# Altium PCB ControlBoard.PcbDoc (part 1 of 3)
Units mm, origin at the board's own origin, x right, y up, seen from the top; angles counter-clockwise.
Board outline 70 x 83 mm, 6 copper layers (Top, GNDT, VDD, Inn, GNDB, Bot), stack 1.629 mm thick; 293 components, 226 nets, 1120 pads, 500 vias.
Unrouted connection lines stored in the file: 43.
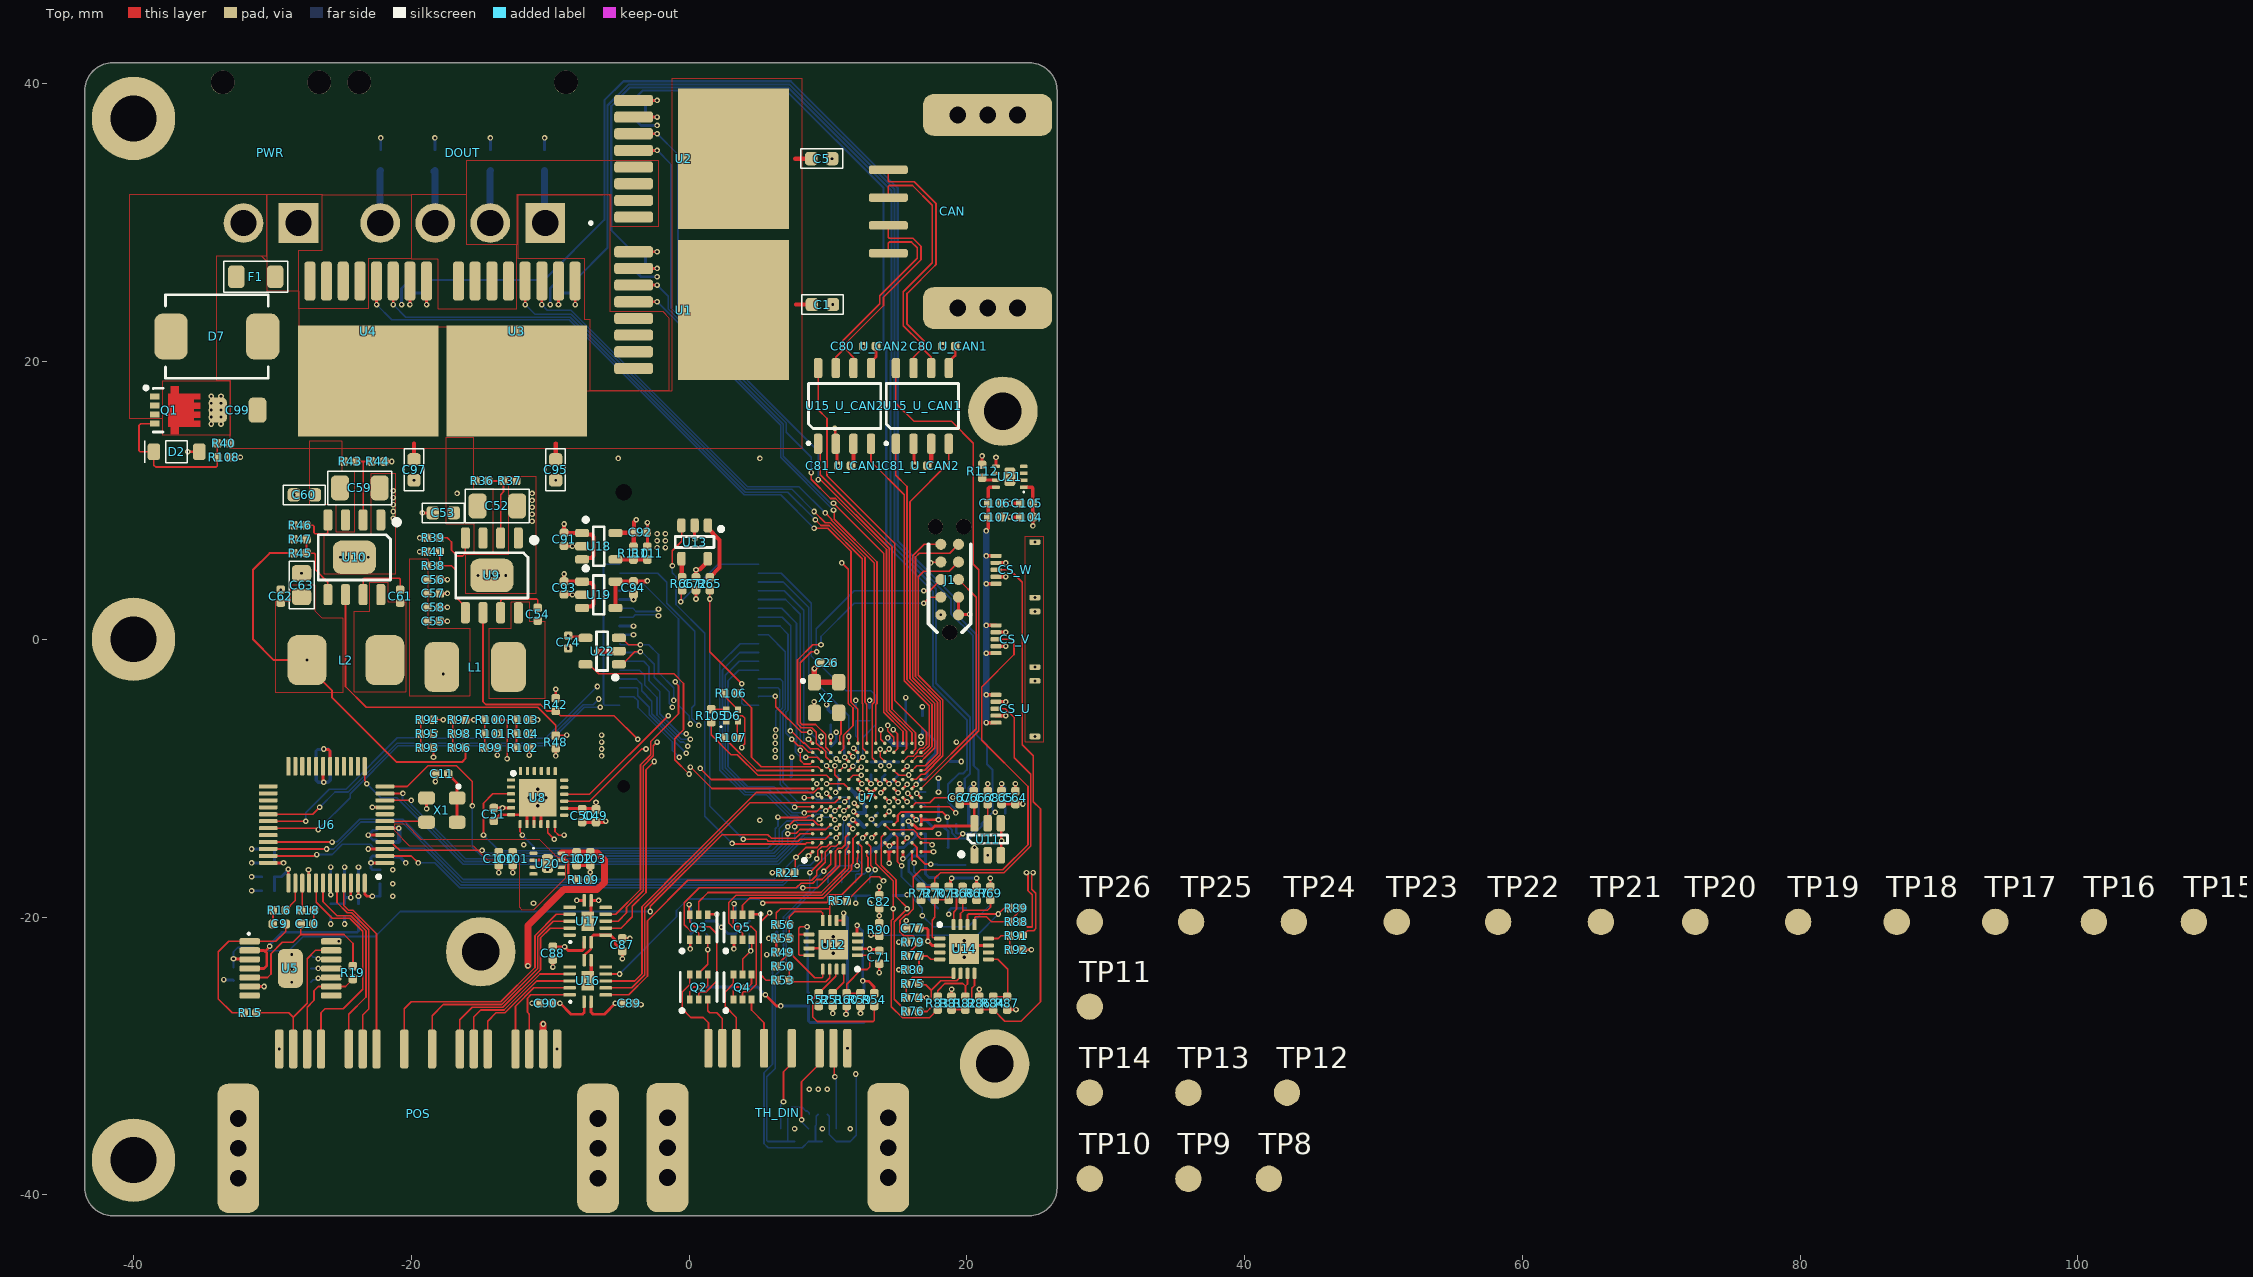
[diagram p0: Top view]
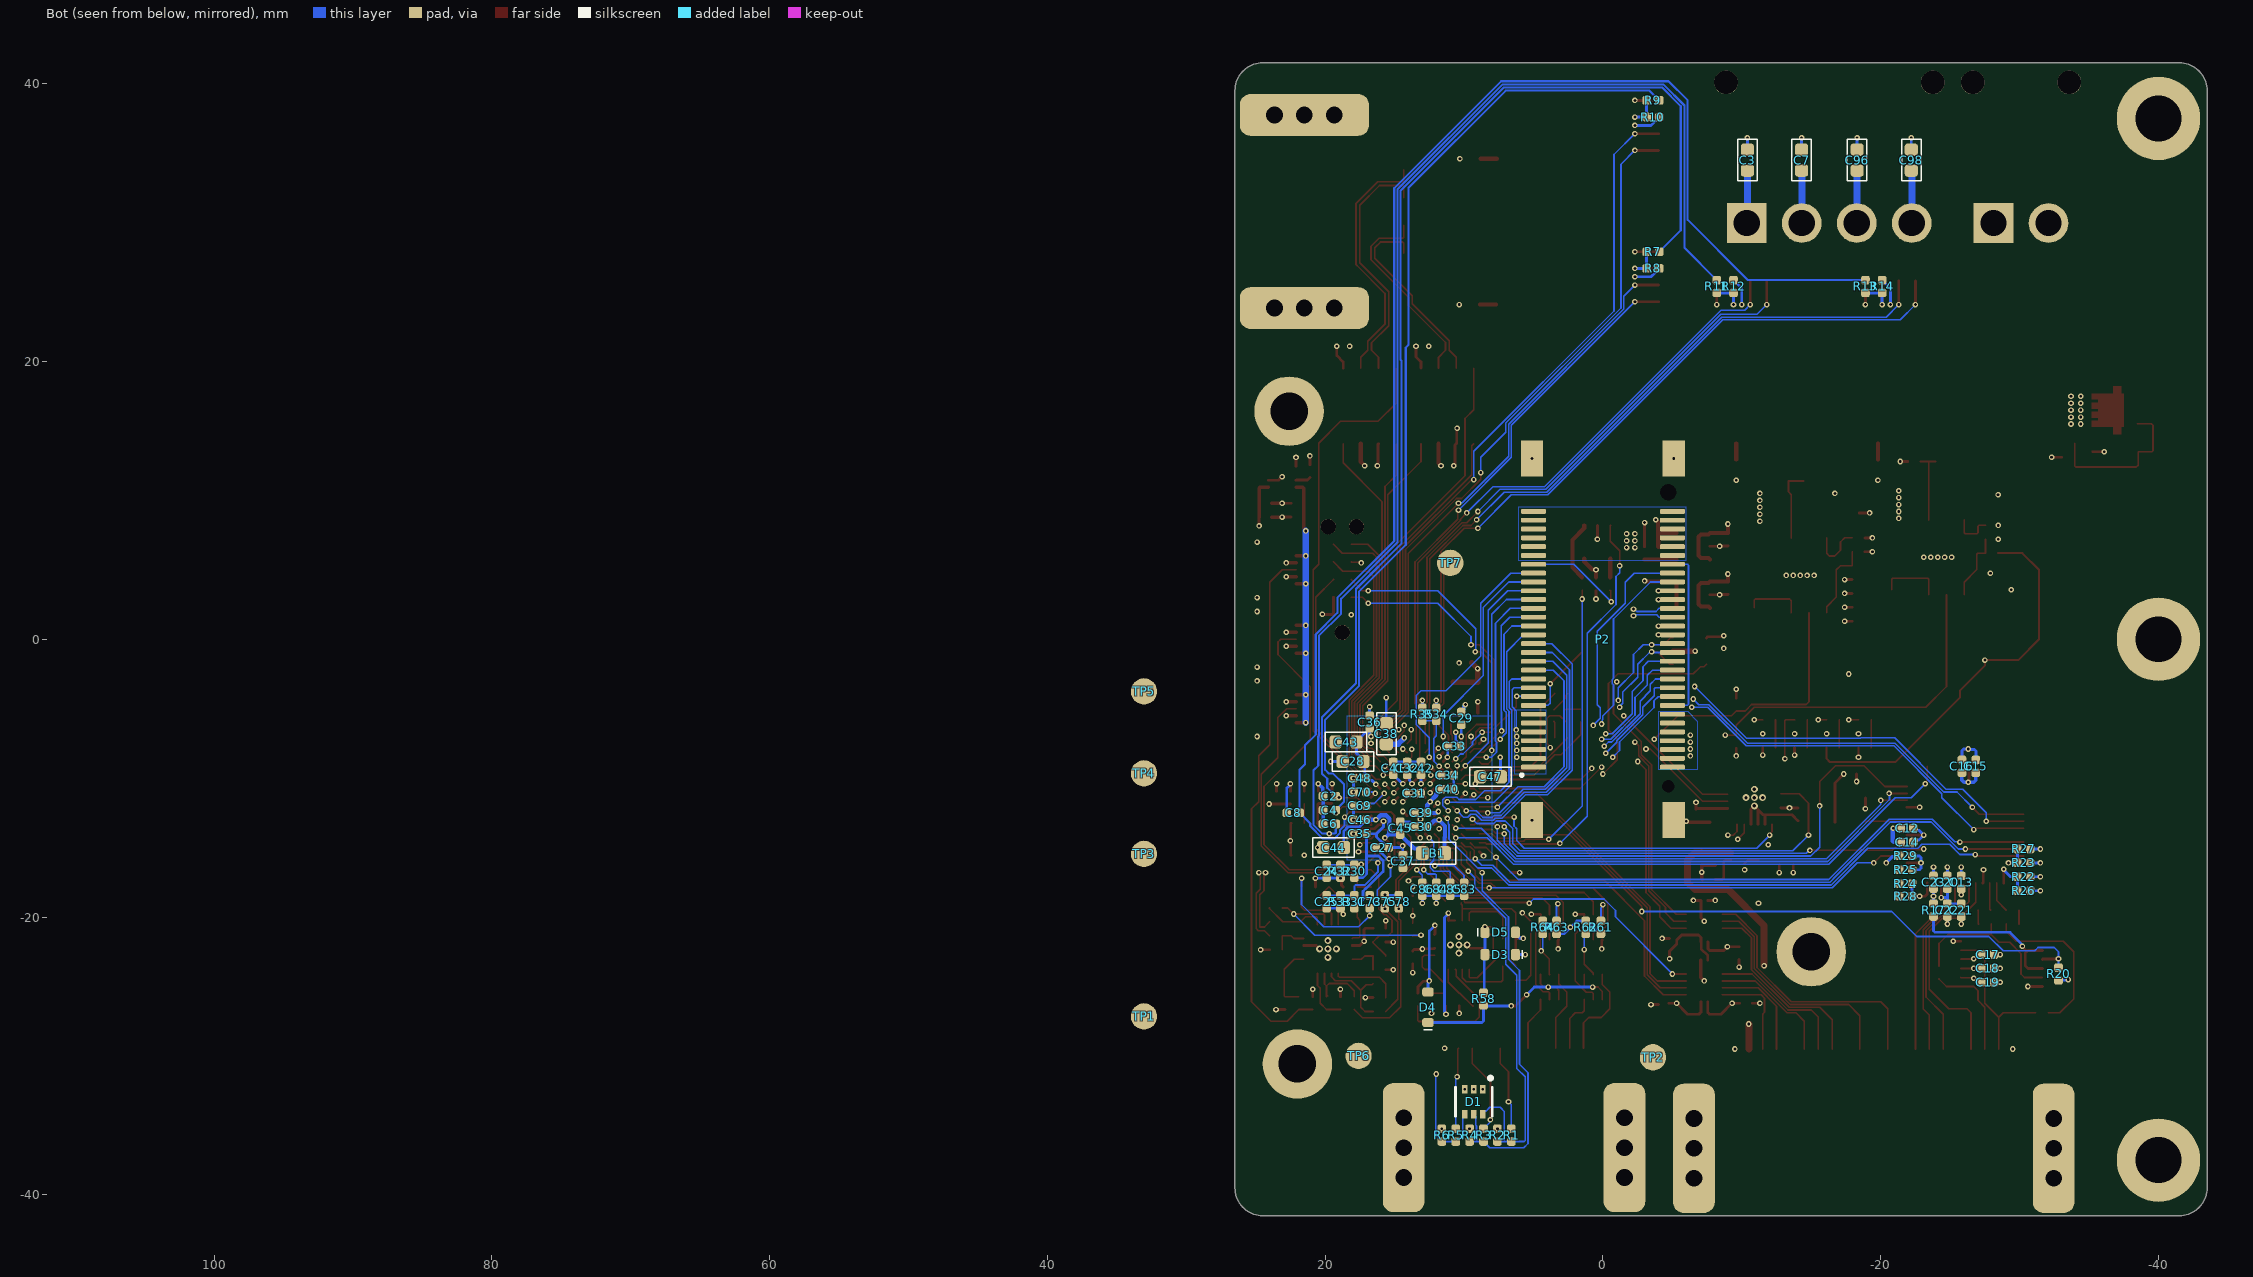
[diagram p1: Bot view, seen from below]
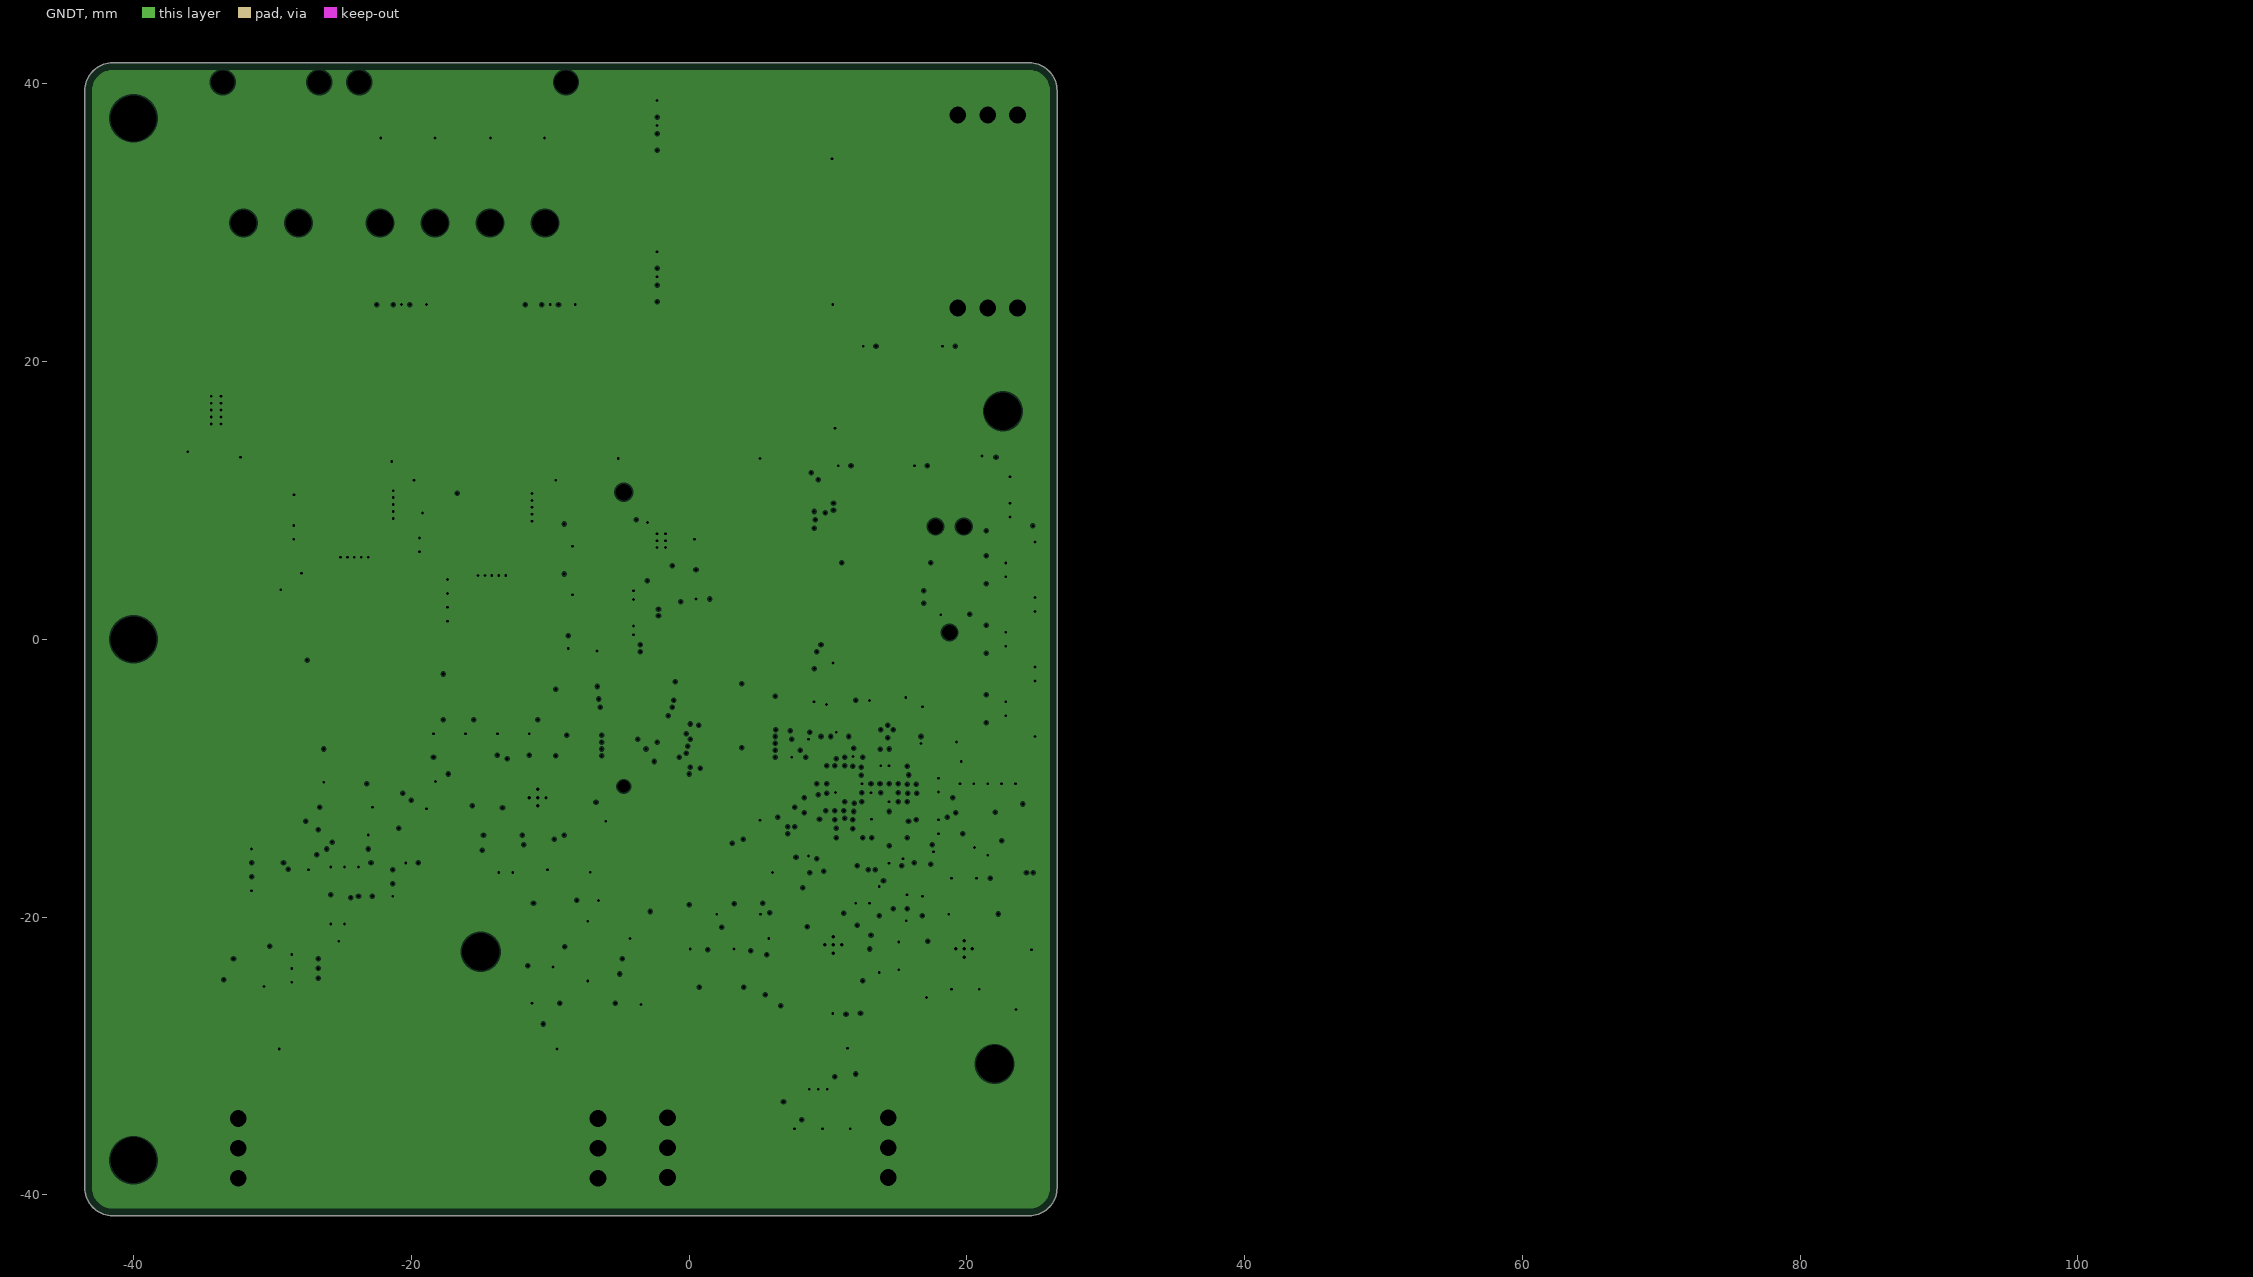
[diagram p2: GNDT, clearances drawn from the general rule]
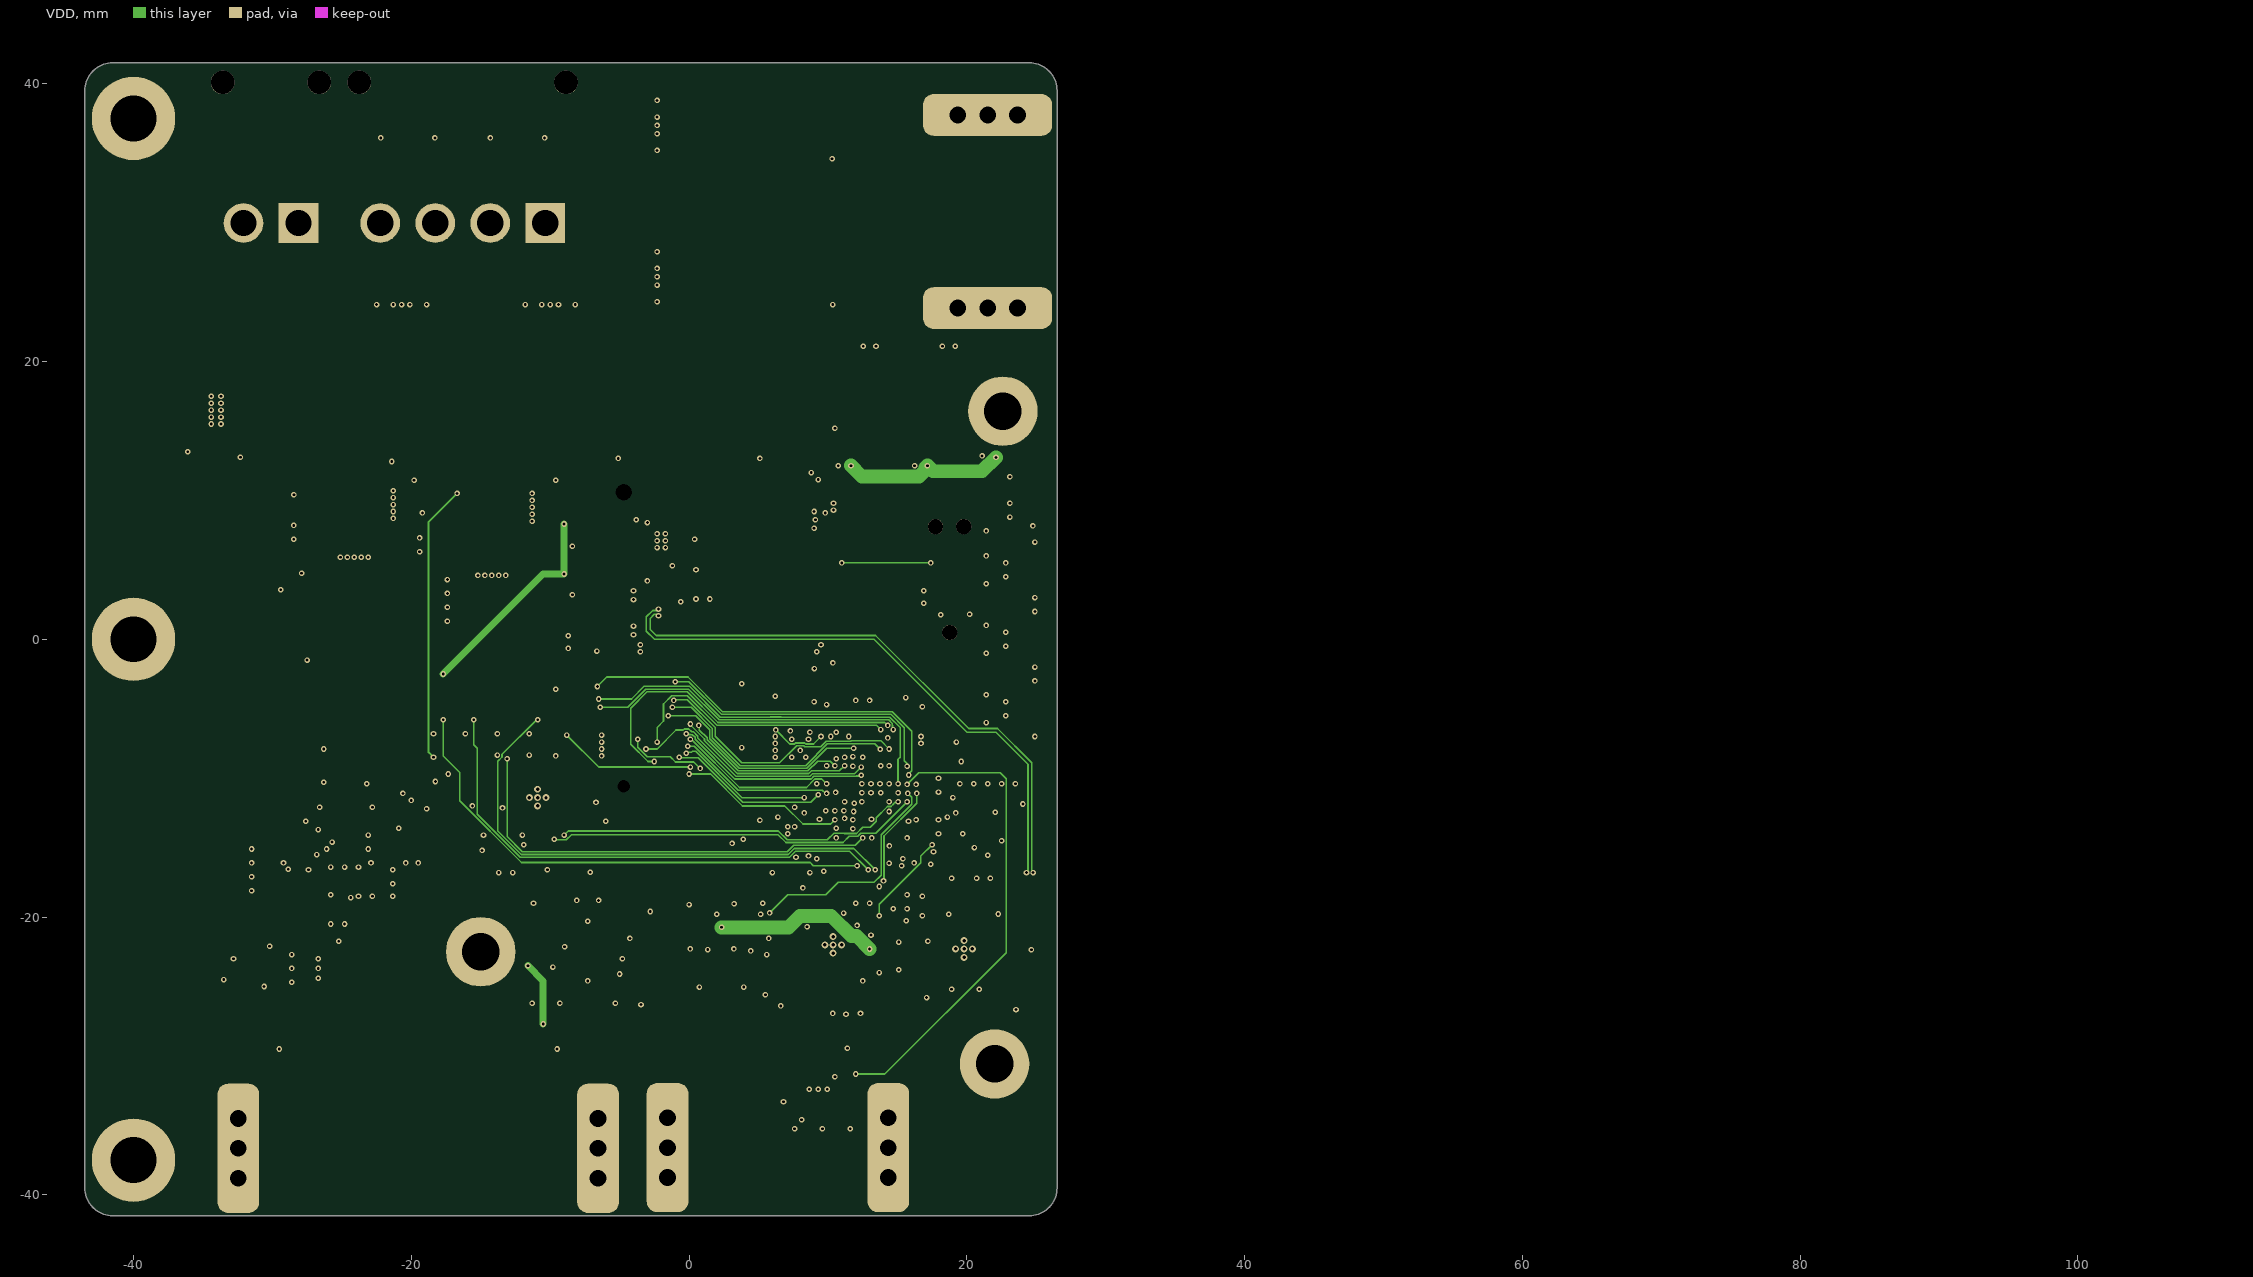
[diagram p3: VDD]
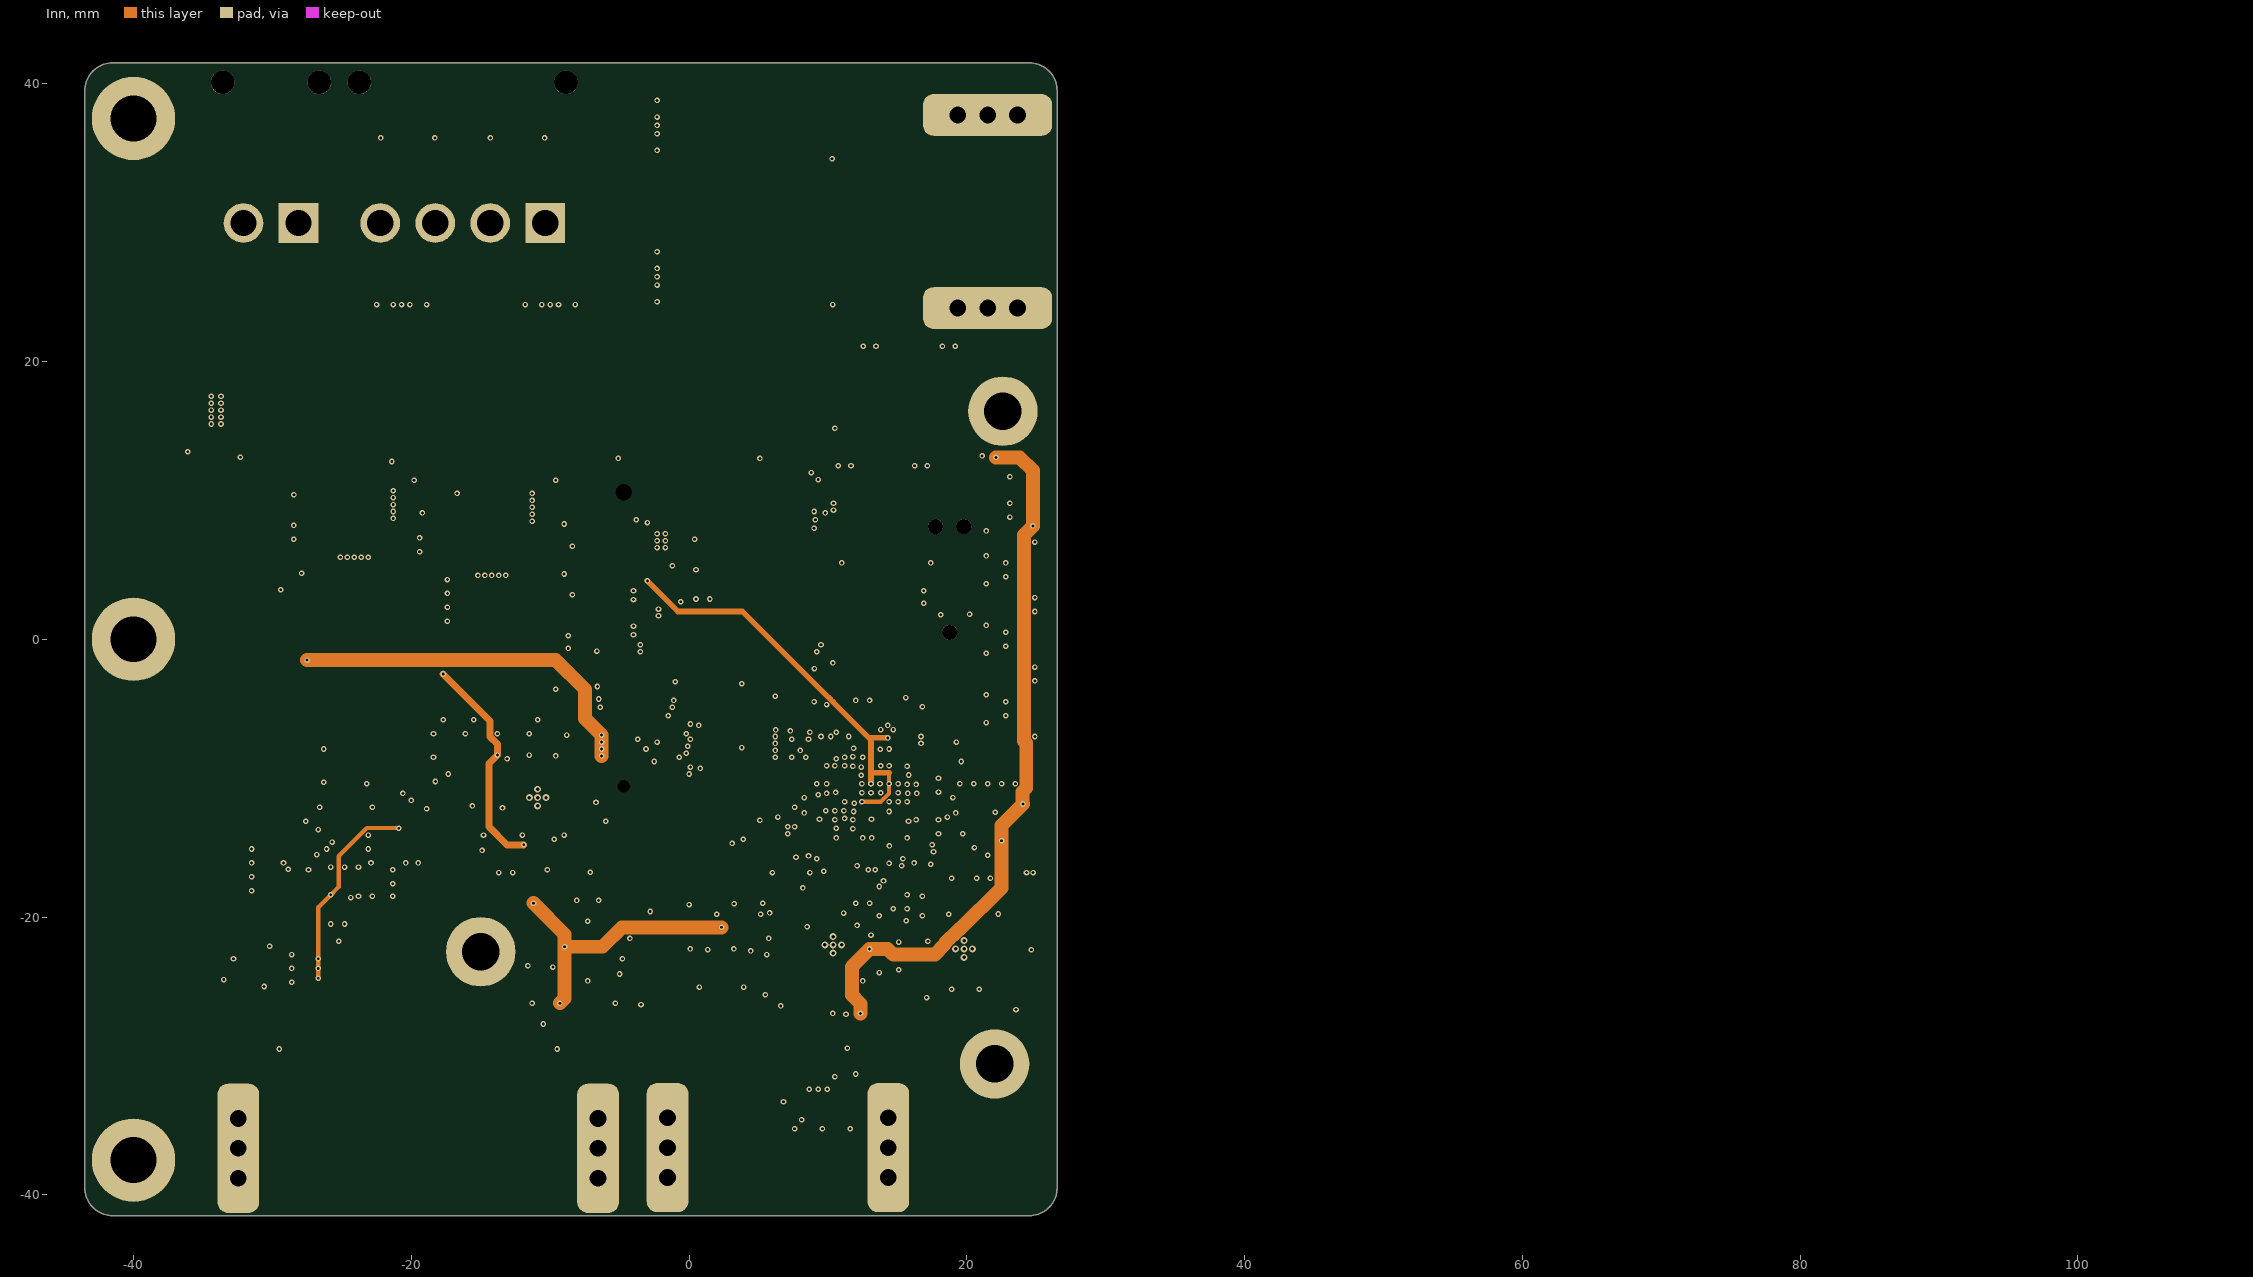
[diagram p4: Inn]